# KiCad board Oblique Palette 0.3 PCB.kicad_pcb (continued)
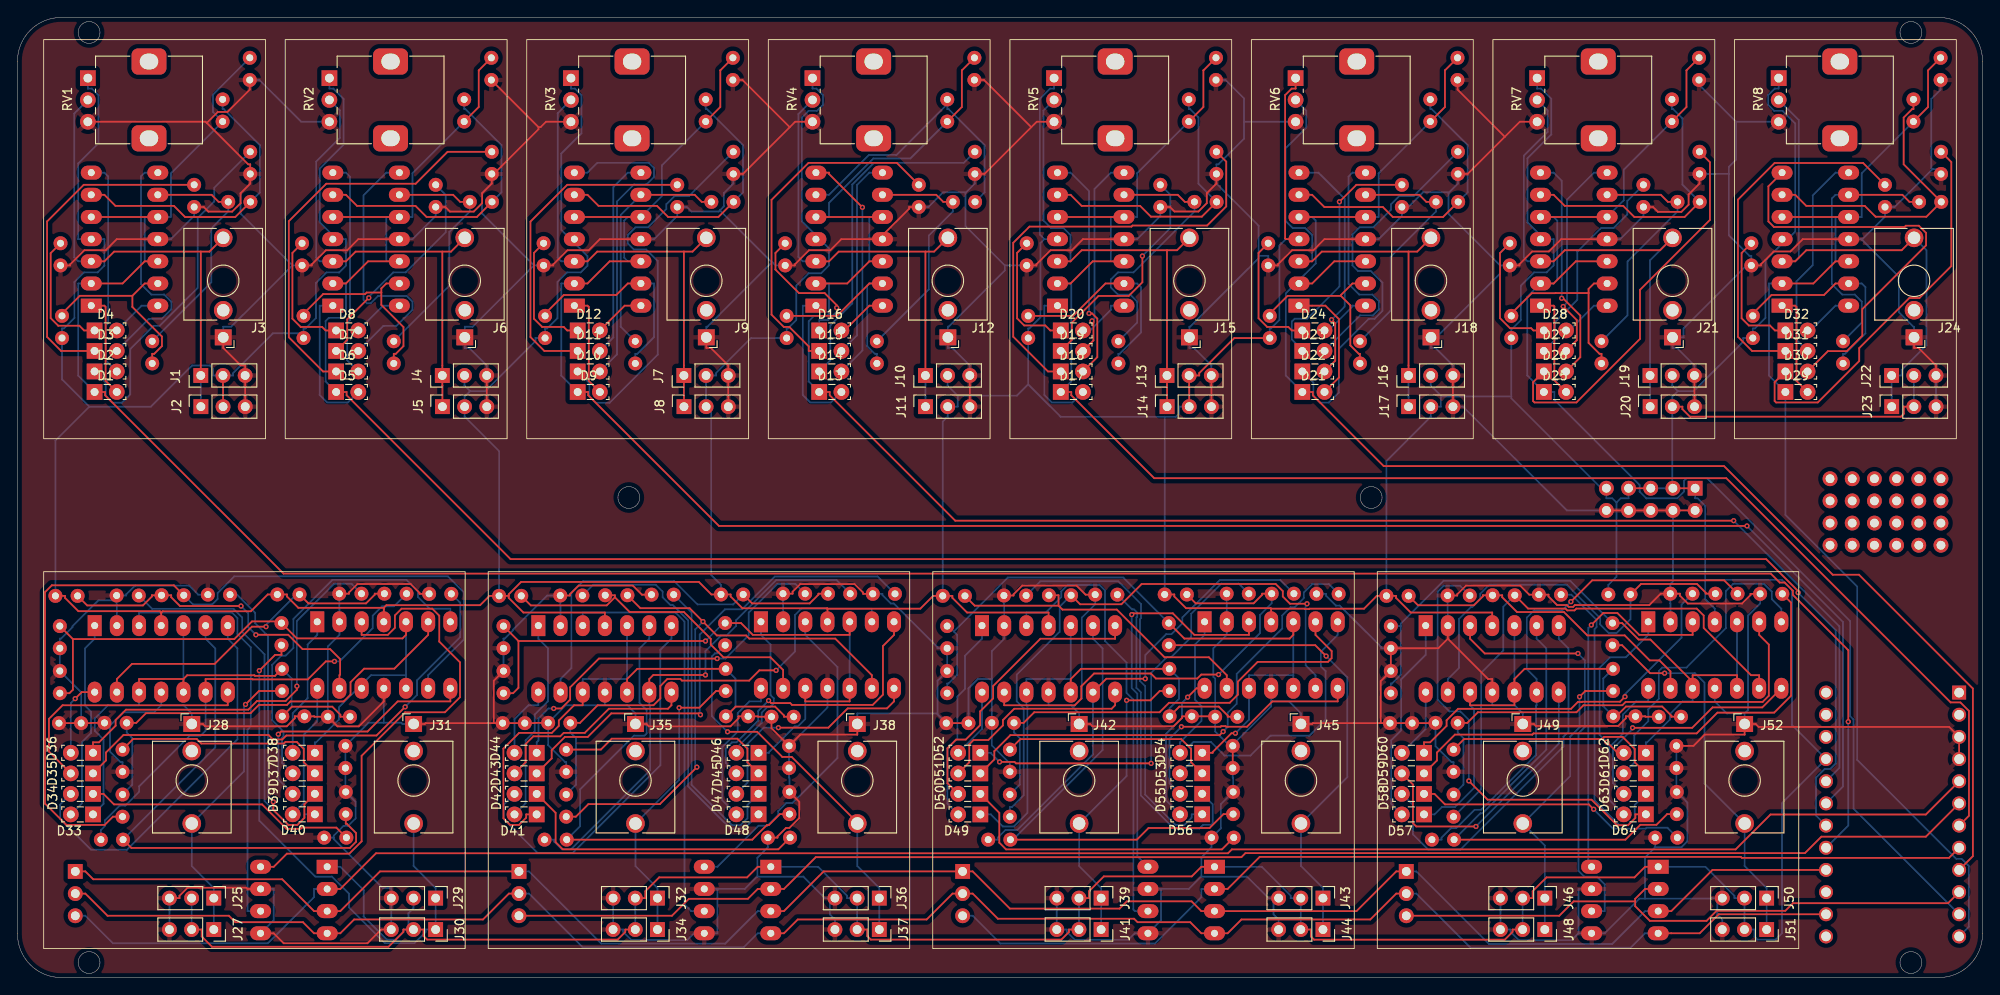
[diagram p0: board, top side]
## Routing (per net, layer and track width the routed paths; a pad name or vN(x,y) marks a point on that pad's centre or on a via; arc(x,y) is an arc through that point) (continued)
/Input 1/ANALOG_IN: length 300.7
  Top w0.2: v1(209.63,29.31) 209.63,37.51 203.28,43.85 203.28,44.32 202.34,45.26 201.77,45.26 200.75,46.28 30.46,46.28 10.03,66.71 10.03,67.09 D1.1 ; U1.2 12.03,79.52 14.57,82.06 U1.12 ; U1.10 U1.5
  Bottom w0.2: R1.1 22.38,101.16 22.38,99.18 R2.1 17.57,92.15 17.57,87.14 U1.10 14.57,87.14 14.57,82.06 U1.12 ; U12.17 209.63,17.42 v1(209.63,29.31) ; D1.1 6.95,68.97 6.95,79.52 U1.2
/Input 2/ANALOG_IN: length 271.6
  Top w0.2: U2.12 40.15,82.06 37.61,79.52 U2.2 ; U2.10 U2.5 ; D5.1 37.69,67.09 37.69,66.71 56.47,47.94 200.23,47.94 203.89,44.28 v1(203.89,44.1) ; R10.1 52.82,99.74 52.82,103.94 R9.1
  Bottom w0.2: U2.12 42.23,82.06 42.23,87.14 U2.10 45.23,87.14 45.23,92.15 R10.1 ; U12.18 205.94,18.55 205.94,22.92 206.92,23.9 207.56,23.9 208.19,24.53 208.19,39.79 v1(203.89,44.1) ; U2.2 37.61,79.52 37.61,76 37.18,75.58 35.65,75.58 35.29,75.21 35.29,68.29 D5.1
/Input 3/ANALOG_IN: length 239.6
  Top w0.2: U3.10 U3.5 ; U3.12 67.81,82.06 65.27,79.52 U3.2 ; v1(198.03,51.74) 80.32,51.74 65.35,66.71 65.35,67.09 D9.1 ; R18.1 80.47,99.74 80.47,103.94 R17.1
  Bottom w0.2: D9.1 62.26,68.97 62.26,79.52 U3.2 ; v1(198.03,51.74) 209.02,40.75 209.02,21.89 U12.19 ; U3.12 69.88,82.06 69.47,82.47 69.47,86.73 69.88,87.14 U3.10 73.79,89.55 73.79,93.06 R18.1
/Input 4/ANALOG_IN: length 216.3
  Top w0.2: D13.1 93,67.09 93,66.71 107.37,52.35 v1(196.51,52.35) ; 99.04,82.06 97.54,82.06 95,79.52 U4.2 ; 99.04,87.14 U4.5 ; R25.1 108.13,103.94 108.13,99.74 R26.1
  Bottom w0.2: v1(196.51,52.35) 208.61,40.24 208.61,24.02 U12.20 ; 99.04,82.06 97.54,82.06 97.54,87.14 99.04,87.14 ; D13.1 90.6,68.29 90.6,75.19 91.22,75.81 92.68,75.81 92.92,76.06 92.92,79.52 U4.2 ; R26.1 102.24,93.85 98,93.85 92.92,88.76 92.92,87.14 U4.5
/Input 5/ANALOG_IN: length 195.3
  Top w0.2: R33.1 135.79,103.94 135.79,99.74 R34.1 ; U5.2 120.58,79.52 123.12,82.06 U5.12 ; U12.7 223.44,18.53 223.44,30.55 222.47,31.52 221.35,31.52 195.66,57.21 130.16,57.21 120.66,66.71 120.66,67.09 D17.1 ; U5.10 U5.5
  Bottom w0.2: R34.1 128.2,92.15 128.2,87.14 U5.10 125.2,87.14 125.2,82.06 U5.12 ; D17.1 120.66,68.29 120.66,79.44 120.58,79.52 U5.2
/Input 6/ANALOG_IN: length 176.6
  Top w0.2: U6.10 U6.5 ; R42.1 163.45,99.74 163.45,103.94 R41.1 ; U6.2 148.24,79.52 150.78,82.06 U6.12 ; D21.1 148.32,67.09 148.32,66.71 156.43,58.6 195.4,58.6 207.84,46.15 210.85,46.15 223.89,33.11 223.89,13.9 U12.9
  Bottom w0.2: 146.36,79.52 148.65,81.81 148.65,86.73 148.24,87.14 U6.5 ; 146.36,79.52 145.22,78.39 145.22,68.98 D21.1 ; 146.36,79.52 U6.2 ; R42.1 155.86,92.15 155.86,87.14 U6.10
/Input 7/ANALOG_IN: length 152
  Top w0.2: R50.1 191.1,99.74 191.1,103.94 R49.1 ; U7.2 175.89,79.52 178.43,82.06 U7.12 ; U7.10 U7.5
  Bottom w0.2: U7.10 183.93,89.06 183.93,92.57 R50.1 ; U7.5 175.89,87.14 176.31,86.73 176.31,79.93 175.89,79.52 U7.2 172.87,78 172.87,68.99 D25.1 175.97,67.09 175.97,66.19 185.74,56.42 185.74,55.67 186.51,54.9 190.04,54.9 190.82,55.68 190.82,56.92 191.12,57.21 193.46,57.21 209.84,40.83 209.84,29.95 210.23,29.56 210.23,19.34 U12.11
/Input 8/ANALOG_IN: length 134.5
  Top w0.2: R57.1 218.76,103.94 218.76,99.74 R58.1 ; U8.10 U8.5 ; U8.2 205.63,79.52 208.17,82.06 U8.12
  Bottom w0.2: U8.12 208.17,82.06 208.17,87.14 U8.10 211.17,87.14 211.17,92.15 R58.1 ; U12.12 223.43,5.82 223.43,12.78 222.62,13.6 221.99,13.6 210.65,24.94 210.65,44.79 202.43,53.01 D29.1 200.55,68.97 200.55,79.52 U8.2
/Output12/CHIP_SELECT_: length 225.2
  Top w0.2: U10.2 36.96,10.15 41.05,14.24 138.61,14.24 139.05,14.68 196.73,14.68 200.72,18.68 218.51,18.68 U12.5
  Bottom w0.2: J26.3 7.77,7.08 10.93,3.93 28.67,3.93 33.96,9.21 33.96,10.15 U10.2
/Output12/SERIAL_CLOCK_: length 222.5
  Top w0.2: U20.3 189.36,7.61 194.08,12.33 U12.16 ; J33.1 41.51,12.16 36.96,7.61 U10.3 33.96,7.61 30.31,11.26 8.67,11.26 7.77,12.16 J26.1 ; U14.3 87.76,7.61 92.31,12.16 J40.1 109.37,12.16 113.63,7.9 126.19,7.9 127.02,8.73 134.44,8.73 135.56,7.61 U17.3 153.32,7.61 157.87,12.16 J47.1
  Bottom w0.2: J47.1 160.17,12.16 168.49,3.84 182.59,3.84 186.36,7.61 U20.3 ; J33.1 58.57,12.16 66.84,3.89 81.04,3.89 84.76,7.61 U14.3
/Output12/SERIAL_DATA_: length 217.2
  Top w0.2: U12.14 207.08,7.25 194.79,7.25 192.61,5.07 U20.4 ; J47.2 157.87,9.62 154.9,6.65 140.14,6.65 138.56,5.07 U17.4 135.56,5.07 134.29,6.34 128.25,6.34 127.85,6.74 112.25,6.74 109.37,9.62 J40.2 107.07,9.62 104.1,6.65 89.34,6.65 87.76,5.07 U14.4 ; J26.2 7.77,9.62 10.31,7.08 24.21,7.08 24.95,6.34 32.69,6.34 33.96,5.07 U10.4 36.96,5.07 38.54,6.65 53.3,6.65 56.27,9.62 J33.2
  Bottom w0.2: J33.2 58.57,9.62 64.71,3.48 83.17,3.48 84.76,5.07 U14.4 ; J47.2 160.17,9.62 166.37,3.42 184.71,3.42 186.36,5.07 U20.4
/Output34/CHIP_SELECT_: length 170.2
  Top w0.2: J33.3 74.94,7.08 76.88,9.02 83.63,9.02 84.76,10.15 U14.2 87.76,10.15 91.4,13.79 140.14,13.79 140.6,14.26 204.67,14.26 206.55,16.14 218.51,16.14 U12.6
/Output56/CHIP_SELECT_: length 120.6
  Top w0.2: U12.8 221.16,13.71 197.43,13.71 197.32,13.83 142.24,13.83 138.56,10.15 U17.2
  Bottom w0.2: U17.2 135.56,10.15 135.56,9.21 130.24,3.89 112.56,3.89 109.37,7.08 J40.3
/Output78/CHIP_SELECT_: length 70
  Top w0.2: U20.2 186.36,10.15 185.23,9.02 185.23,8.73 ; 185.23,8.73 178.18,8.73 176.54,7.08 J47.3 ; 185.23,8.73 185.23,8.17 186.91,6.5 193.4,6.5 194.56,7.65 202.42,7.65 203.29,8.52 221.05,8.52 U12.10
Net-(D1-A): length 12
  Top w0.2: D1.2 10.09,68.37 10.09,76.84 9.95,76.98 U1.1
Net-(D2-A): length 25.1
  Bottom w0.2: D2.2 10.13,70.68 10.13,74.71 10.38,74.97 10.38,91.79 9.95,92.22 U1.7
Net-(D2-K): length 40.8
  Bottom w0.2: D2.1 10.1,68.17 10.1,66.63 10.87,65.86 11.96,65.86 12.92,66.82 12.92,72 15.58,74.67 16.29,74.67 20.64,79.02 20.64,87.02 22.53,88.92 22.53,90.49 R3.1
Net-(D3-A): length 27.9
  Bottom w0.2: D3.2 15.04,75.46 16.51,75.46 17.62,76.57 17.62,77.44 16.81,78.25 15.34,78.25 14.14,79.45 14.14,91.79 14.57,92.22 U1.8
Net-(D3-K): length 37.9
  Top w0.2: R5.1 7.59,90.83 3.39,86.63 3.39,73.4 5,71.79 D3.1
Net-(D4-A): length 5.9
  Bottom w0.2: D4.2 14.21,76.98 U1.14
Net-(D4-K): length 14.7
  Top w0.2: R7.1 3.8,83 3.8,75.55 4.67,74.68 7.09,74.68 7.63,74.14 D4.1
Net-(D5-A): length 17
  Bottom w0.2: D5.2 37.83,65.89 35.46,65.89 34.61,66.74 34.61,76.98 U2.1
Net-(D6-A): length 25.1
  Bottom w0.2: U2.7 37.61,92.22 38.08,91.75 38.08,75.34 37.75,75.01 37.75,70.72 D6.2
Net-(D6-K): length 46.9
  Top w0.2: D6.1 34.99,69.44 31.07,73.36 31.07,86.66 35.36,90.95 45.59,90.95 49.25,94.61 R11.1
Net-(D7-A): length 32.6
  Bottom w0.2: U2.8 42.23,92.22 39.63,89.62 39.63,77.63 40.01,77.25 40.45,77.25 41.3,78.1 44.57,78.1 45.23,77.44 45.23,76.51 43.38,74.66 41.89,74.66 D7.2
Net-(D7-K): length 25.5
  Top w0.2: v1(40.23,77.88) 37.76,75.41 37.76,73.06 D7.1
  Bottom w0.2: v1(40.23,77.88) 40.23,77.99 43.02,80.79 44.44,80.79 49.04,85.39 49.04,89.67 R13.1
Net-(D8-A): length 5.9
  Bottom w0.2: U2.14 41.87,76.98 D8.2
Net-(D8-K): length 14.7
  Top w0.2: D8.1 35.29,74.14 34.89,74.54 32.43,74.54 31.48,75.49 31.48,83.02 R15.1
Net-(D9-A): length 12
  Top w0.2: U3.1 65.27,76.98 65.41,76.83 65.41,68.36 D9.2
Net-(D10-A): length 36.5
  Bottom w0.2: U3.7 65.27,92.22 66.38,93.34 72.3,93.34 72.89,92.75 72.89,91.73 72.02,90.86 70.59,90.86 68.64,88.92 68.64,71.4 D10.2
Net-(D10-K): length 46.1
  Bottom w0.2: R19.1 76.91,89.56 75.25,89.56 74.3,88.6 74.3,88.05 72.2,85.95 70.76,85.95 69.88,85.07 69.88,84.1 70.56,83.42 71.98,83.42 73.31,82.09 73.31,71.37 67.8,65.85 66.22,65.85 65.48,66.59 65.48,68.1 D10.1
Net-(D11-A): length 23.3
  Bottom w0.2: U3.8 69.88,92.22 68.22,90.56 68.22,73.33 D11.2
Net-(D11-K): length 37.9
  Top w0.2: R21.1 62.95,90.83 58.74,86.61 58.74,73.38 60.33,71.79 D11.1
Net-(D12-A): length 5.9
  Top w0.2: D12.2 69.52,76.98 U3.14
Net-(D12-K): length 14.7
  Top w0.2: R23.1 59.14,83.02 59.14,75.49 60.09,74.54 62.54,74.54 62.94,74.14 D12.1
Net-(D13-A): length 17
  Bottom w0.2: 94.34,67.09 93.14,65.89 90.78,65.89 89.92,66.74 89.92,76.98 U4.1
Net-(D14-A): length 26.9
  Top w0.2: U4.7 92.92,92.22 92.92,92.07 v1(96.75,88.25)
  Bottom w0.2: v1(96.75,88.25) 96.75,71.84 94.34,69.44
Net-(D14-K): length 38.6
  Bottom w0.2: R27.1 108.35,93.34 98.07,93.34 95.58,90.85 95.58,77.23 93.07,74.72 93.07,70.71 D14.1
Net-(D15-A): length 23.3
  Bottom w0.2: 99.04,92.22 97.54,92.22 96.13,90.81 96.13,73.58 94.34,71.79
Net-(D15-K): length 40.3
  Top w0.2: R29.1 100.69,93.34 90.58,93.34 86.34,89.1 86.34,75.95 87.75,74.54 88.38,74.54 90.6,72.32 90.6,71.79 D15.1
Net-(D16-A): length 5.9
  Top w0.2: 94.34,74.14 94.7,74.14 97.54,76.98 99.04,76.98
Net-(D16-K): length 16.5
  Top w0.2: R31.1 86.79,83.02 86.79,81.11 89.48,78.42 92.42,78.42 93.8,77.04 v1(93.8,76.74)
  Bottom w0.2: v1(93.8,76.74) 93.8,76.29 92.85,75.34 91.8,75.34 D16.1
Net-(D17-A): length 17
  Bottom w0.2: U5.1 117.58,76.98 117.58,66.75 118.43,65.89 120.8,65.89 D17.2
Net-(D18-A): length 26.4
  Top w0.2: D18.2 123.64,71.08 123.64,75.5 123.05,76.09 v1(122.7,76.09)
  Bottom w0.2: U5.7 120.58,92.22 122.7,90.1 v1(122.7,76.09)
Net-(D18-K): length 50.7
  Top w0.2: R35.1 138.4,93.48 138.4,88.35 136.21,86.16 127.67,86.16 127.55,86.04 115.88,86.04 114.01,84.17 114.01,73.42 117.99,69.44 D18.1
Net-(D19-A): length 23.4
  Top w0.2: v1(123.04,75.23) 123.2,75.07 123.2,72.99 D19.2
  Bottom w0.2: v1(123.04,75.23) 123.32,75.52 123.32,90.34 125.2,92.22 U5.8
Net-(D19-K): length 26.7
  Top w0.2: D19.1 120.73,73.06 120.73,75.04 123.79,78.09 127.24,78.09 128.8,79.66 v1(128.8,82.67)
  Bottom w0.2: v1(128.8,82.67) 132,85.87 132,89.68 R37.1
Net-(D20-A): length 6.2
  Bottom w0.2: D20.2 122.83,74.14 125.2,76.51 125.2,76.98 U5.14
Net-(D20-K): length 14.6
  Top w0.2: R39.1 114.46,83.03 114.46,75.52 115.27,74.71 117.69,74.71 118.26,74.14 D20.1
Net-(D21-A): length 14.2
  Top w0.2: D21.2 151.31,68.74 151.31,75.43 149.76,76.98 U6.1
Net-(D22-A): length 27.6
  Top w0.2: v1(150.46,75.37) 150.88,74.95 150.88,70.67 D22.2
  Bottom w0.2: v1(150.46,75.37) 151.97,76.87 151.97,89.21 148.96,92.22 U6.7
Net-(D22-K): length 46.3
  Bottom w0.2: D22.1 148.38,68.17 148.38,66.62 149.13,65.87 150.14,65.87 151.3,67.02 151.3,72.04 154.72,75.46 155.38,75.46 156.29,76.37 156.29,79.62 154.95,80.96 153.48,80.96 152.85,81.59 152.85,85.13 153.68,85.96 155.25,85.96 157.27,87.98 157.27,88.6 158.22,89.56 159.88,89.56 R43.1
Net-(D23-A): length 27.9
  Bottom w0.2: D23.2 153.73,75.87 155.21,75.87 155.88,76.54 155.88,77.5 155.14,78.25 153.63,78.25 152.41,79.47 152.41,91.78 152.85,92.22 U6.8
Net-(D23-K): length 28.6
  Top w0.2: v1(151.36,88.88) 153.31,90.83 R45.1
  Bottom w0.2: v1(151.36,88.88) 151.36,79.18 147.67,75.48 146.23,75.48 145.91,75.16 145.91,73.12 147.11,71.91 147.12,71.91 D23.1
Net-(D24-A): length 5.9
  Bottom w0.2: U6.14 152.85,76.98 152.85,76.89 150.11,74.14 D24.2
Net-(D24-K): length 14.6
  Top w0.2: R47.1 142.1,83.02 142.1,75.53 143.1,74.54 145.51,74.54 145.91,74.14 D24.1
Net-(D25-A): length 12
  Top w0.2: U7.1 175.89,76.98 175.97,76.9 175.97,68.43 D25.2
Net-(D26-A): length 26.3
  Top w0.2: D26.2 178.95,71.07 178.95,75.85 176.97,77.82 v1(176.81,77.82)
  Bottom w0.2: v1(176.81,77.82) 176.81,91.3 175.89,92.22 U7.7
Net-(D26-K): length 44.5
  Top w0.2: R51.1 193.79,93.42 193.79,86.8 185.78,78.79 185.78,73.17 178.5,65.89 173.71,65.89 173.54,66.06 173.54,68.21 D26.1
Net-(D27-A): length 24.5
  Top w0.2: v1(176.99,76.88) 178.54,75.33 178.54,73.02 D27.2
  Bottom w0.2: v1(176.99,76.88) 177.41,77.31 177.41,89.12 180.51,92.22 U7.8
Net-(D27-K): length 24.6
  Bottom w0.2: D27.1 176.04,73.06 176.04,75.09 178.6,77.64 178.6,83.15 181.32,85.87 182.76,85.87 184.33,87.44 184.33,88.98 R53.1
Net-(D28-A): length 5.9
  Bottom w0.2: U7.14 180.51,76.98 177.67,74.14 D28.2
Net-(D28-K): length 14.7
  Top w0.2: D28.1 173.57,74.14 173.31,74.4 170.9,74.4 169.75,75.54 169.75,83.01 R55.1
Net-(D29-A): length 12
  Top w0.2: D29.2 203.7,68.36 203.7,76.83 203.55,76.98 U8.1
Net-(D30-A): length 47.7
  Top w0.2: D30.2 207.3,71.77 209.48,71.77 211.23,73.53 211.23,76.59 218.53,83.89 218.53,85.32 217.72,86.14 216.21,86.14 216.07,85.99 201.12,85.99 200.48,86.63 200.48,90.65 U8.7
Net-(D30-K): length 45.1
  Top w0.2: D30.1 201.2,68.21 201.2,66.06 201.36,65.89 206.14,65.89 210.88,70.63 210.88,72.12 216.62,77.86 217.77,77.86 221.42,81.51 221.42,93.44 R59.1
Net-(D31-A): length 24.3
  Bottom w0.2: U8.8 208.17,92.22 205.56,89.62 205.56,81.63 203.7,79.76 203.7,73.06 D31.2
Net-(D31-K): length 41.4
  Top w0.2: R61.1 211.33,93.33 201.19,93.33 197,89.13 197,73.41 198.61,71.79 D31.1
Net-(D32-A): length 5.9
  Bottom w0.2: D32.2 205.33,74.14 208.17,76.98 U8.14
Net-(D32-K): length 14.6
  Top w0.2: R63.1 197.41,83.01 197.41,75.54 198.24,74.71 200.66,74.71 201.23,74.14 D32.1
Net-(D33-A): length 23.3
  Bottom w0.2: D33.2 7.38,19.96 7.38,26.97 8.43,28.01 8.43,30.46 7.74,31.15 7.74,37.72 8.84,38.82 U9.1
Net-(D33-K): length 61.8
  Top w0.2: U9.10 19,34.2 ; 19,34.2 19.43,34.63 27.13,34.63 27.2,34.56 29.48,34.56 R65.1 ; 19,34.2 13.92,34.2 U9.12 ; R66.1 31.42,31.03 36.05,31.03 36.97,30.11 36.97,29.88 38.08,29.88
  Bottom w0.2: R66.1 31.39,31 31.39,34.27 R65.1 ; D33.1 9.85,19.89 9.85,27.28 8.86,28.27 8.86,29.7 10.36,31.2 13.92,31.2 U9.12 ; U9.10 U9.5
Net-(D34-A): length 43.9
  Bottom w0.2: D34.2 4.89,19.82 4.89,18.19 8.43,14.65 12.54,14.65 25.18,27.29 25.18,37.71 24.08,38.82 U9.7
Net-(D34-K): length 31.2
  Top w0.2: D34.1 9.85,21.04 11.05,19.84 28,19.84 30.8,17.04 32.41,17.04 32.55,17.18 36.51,17.18 R70.1
Net-(D35-A): length 29.9
  Top w0.2: U9.8 24.08,31.2 5.16,31.2 3.6,29.64 3.6,25.9 D35.2
Net-(D35-K): length 55.8
  Top w0.2: D35.1 10.13,24.87 10.13,25.78 12.14,27.79 28.75,27.79 29.26,27.27 30.33,27.27 30.79,27.73 41.11,27.73 v1(44.39,31.02)
  Bottom w0.2: R72.1 50.69,42.94 50.69,39.01 45.76,34.07 45.76,32.38 v1(44.39,31.02)
Net-(D36-A): length 8.9
  Top w0.2: v1(6.61,31.95) 7.36,32.7 U9.14
  Bottom w0.2: v1(6.61,31.95) 6.11,31.45 D36.2
Net-(D36-K): length 44.9
  Top w0.2: D36.1 8.65,26.95 9.34,26.95 11.23,28.85 11.23,29.5 12.42,30.69 26.43,30.69 27.42,31.68 30.7,31.68 31.99,32.98 v1(31.99,33.38)
  Bottom w0.2: R74.1 38.25,45.12 36.26,45.12 31.99,40.86 v1(31.99,33.38)
Net-(D37-A): length 16.2
  Bottom w0.2: U11.1 34.33,39.26 33.22,38.16 33.22,32 31.51,30.29 D37.2
Net-(D37-K): length 74.7
  Top w0.2: R78.2 5.95,32.58 6.34,32.97 6.34,38.78 ; U11.5 44.48,39.26 44.08,38.86 31.99,38.86 R76.1 30.04,40.8 26.85,40.8 24.82,38.78 6.34,38.78 ; 6.34,38.78 R77.1
  Bottom w0.2: U11.10 44.48,34.64 ; 44.48,34.64 U11.5 ; 44.48,34.64 40.47,34.64 39.41,33.57 ; 39.41,33.57 36.8,30.97 36.8,29.56 34.2,26.95 34.05,26.95 D37.1 ; 39.41,33.57 U11.12
Net-(D38-A): length 43.2
  Bottom w0.2: D38.2 30.3,24.61 30.3,27.45 30.47,27.62 30.47,28.19 29.16,29.5 29.16,35.84 30.21,36.88 30.71,36.88 31.59,37.76 31.59,41.09 36.07,45.56 44.54,45.56 45.85,44.25 45.85,43.61 47.2,42.26 49.56,42.26 U11.7
Net-(D38-K): length 25.2
  Top w0.2: D38.1 32.78,24.67 32.78,26.19 31.98,26.99 30.69,26.99 30.51,26.81 21.04,26.81 20.52,27.34 13.25,27.34 R81.1
Net-(D39-A): length 30.3
  Top w0.2: v1(29.86,27.88) 30.18,28.19 40.09,28.19 43.54,31.64 49.56,31.64 U11.8
  Bottom w0.2: D39.2 29.86,22.7 v1(29.86,27.88)
Net-(D39-K): length 35
  Top w0.2: D39.1 32.85,19.85 32.85,18.29 32.04,17.48 31.02,17.48 29.3,19.2 v1(29.3,20.13)
  Bottom w0.2: R83.1 25.14,43.87 27.22,41.79 27.22,40.59 28.69,39.12 28.69,20.73 v1(29.3,20.13)
Net-(D40-A): length 15.6
  Bottom w0.2: D40.2 32.78,19.97 32.78,27.82 34.33,29.37 U11.14
Net-(D40-K): length 42.6
  Bottom w0.2: D40.1 32.85,18.7 32.85,18.32 32.02,17.5 31.01,17.5 28.29,20.22 28.29,37.03 25.73,39.59 25.73,41.25 24.73,42.25 15.41,42.25 R85.1
Net-(D41-A): length 23.7
  Bottom w0.2: D41.2 58.18,19.96 58.18,27.18 59.22,28.22 59.22,30.14 60.74,31.66 60.74,37.72 59.64,38.82 U13.1
Net-(D41-K): length 68.4
  Top w0.2: U13.10 69.8,34.2 70.97,35.37 R87.1 ; D41.1 58.25,18.69 58.25,18.31 57.42,17.49 56.41,17.49 55.64,18.26 55.64,26.23 57.44,28.03 61.18,28.03 61.98,28.83 61.98,29.45 63.73,31.2 64.72,31.2 U13.12 ; R89.2 87.77,29.88 87.77,30.02 86.75,31.04 82.23,31.04 R88.1
  Bottom w0.2: R88.1 82.21,31.02 82.21,34.25 R87.1 ; 69.8,34.2 69.8,38.82 69.8,38.82 U13.5 ; 69.8,34.2 69.8,34.2 U13.10 ; 69.8,34.2 64.72,34.2 U13.12
Net-(D42-A): length 43.6
  Bottom w0.2: U13.7 74.88,38.82 73.61,37.55 73.61,24.32 63.56,14.27 59.55,14.27 55.69,18.13 55.69,19.82 D42.2
Net-(D42-K): length 34.2
  Top w0.2: D42.1 61.62,18.87 61.62,15.51 62.44,14.69 87.12,14.69 R92.1
Net-(D43-A): length 23.9
  Top w0.2: D43.2 58.18,24.66 58.18,26.76 59.06,27.63 62.15,27.63 62.55,28.03 64.95,28.03 67.72,30.8 74.48,30.8 74.88,31.2 U13.8
Net-(D43-K): length 57.4
  Top w0.2: D43.1 61.17,25.11 61.17,26.05 62.68,27.57 65.3,27.57 67.99,30.27 78.04,30.27 v1(78.2,30.11)
  Bottom w0.2: R94.1 98.49,45.95 86.71,45.95 82.95,42.19 81.01,42.19 78.12,39.3 78.12,30.19 v1(78.2,30.11)
Net-(D44-A): length 8.7
  Bottom w0.2: U13.14 59.64,31.2 58.51,31.2 56.91,29.59 D44.2
Net-(D44-K): length 43.8
  Top w0.2: v1(80.12,36.55) 66.57,36.55 63.28,33.25 63.28,31.84 62.27,30.83 v1(61.4,30.83)
  Bottom w0.2: v1(61.4,30.83) 60.79,30.83 59.66,29.69 59.66,27.16 59.45,26.95 D44.1 ; v1(80.12,36.55) 81.06,36.55 83.73,39.21 83.73,41.82 87,45.09 89.08,45.09 R96.1
Net-(D45-A): length 17.6
  Bottom w0.2: U15.1 85.12,39.26 86.23,38.16 86.23,32.36 86.6,31.98 86.6,31.42 86.16,30.98 85.85,30.98 85.22,30.35 85.22,29.19 82.31,26.29 D45.2
Net-(D45-K): length 76.8
  Top w0.2: v1(78.78,38.56) 57.36,38.56 ; 57.36,38.56 R99.1 ; 57.36,38.56 57.36,33.19 56.75,32.58 R100.2 ; U15.12 90.2,31.64 95.28,31.64 U15.10 ; U15.5 95.28,39.26 84.2,39.26 82.84,40.61 R98.1
  Bottom w0.2: R98.1 80.84,40.61 v1(78.78,38.56) ; U15.5 U15.10 ; D45.1 86.05,25.75 86.05,25.83 89,28.78 89.36,28.78 90.2,29.62 U15.12
Net-(D46-A): length 33.8
  Top w0.2: v1(86,31.73) 86.29,31.44 88.48,31.44 88.69,31.24 97.92,31.24 99.09,32.41 99.09,37.99 100.36,39.26 U15.7
  Bottom w0.2: v1(86,31.73) 84.81,30.54 84.81,29.43 82.33,26.95 81.81,26.95 81.1,26.24 81.1,24.61 D46.2
Net-(D46-K): length 25.1
  Top w0.2: D46.1 83.58,24.67 83.58,26.22 82.44,27.37 68.04,27.37 66.8,26.12 R103.1
Net-(D47-A): length 26.5
  Top w0.2: v1(87.13,28.63) 92.85,28.63 95.06,30.83 99.56,30.83 100.36,31.64 U15.8
  Bottom w0.2: v1(87.13,28.63) 85.45,28.63 83.58,26.77 83.58,22.32 D47.2
Net-(D47-K): length 34.6
  Bottom w0.2: D47.1 83.58,19.78 83.58,18.24 82.8,17.46 81.81,17.46 77.19,22.08 77.19,41.82 R105.1
Net-(D48-A): length 17.7
  Bottom w0.2: U15.14 85.12,31.64 83.81,31.64 82.47,30.3 82.47,28.18 80.7,26.41 80.7,20.31 D48.2
Net-(D48-K): length 44.5
  Bottom w0.2: D48.1 83.2,17.05 81.65,17.05 76.79,21.91 76.79,40.94 75.04,42.68 74.76,42.68 73.87,43.57 73.87,44.22 73.08,45.01 65.93,45.01 R107.1
Net-(D49-A): length 23.8
  Bottom w0.2: U16.1 110.44,38.82 108.49,36.87 108.49,33.07 107.62,32.19 107.62,27.36 106.47,26.21 106.47,19.93 D49.2
Net-(D49-K): length 63.1
  Top w0.2: R109.1 121.77,35.37 120.6,34.2 U16.10 ; R110.1 133.03,31.04 137.55,31.04 138.57,30.02 138.57,29.88 139.68,29.88
  Bottom w0.2: R110.1 131.92,30.86 132.99,31.93 132.99,34.27 R109.1 ; 120.6,34.2 U16.5 ; 120.6,34.2 U16.10 ; 120.6,34.2 115.52,34.2 U16.12 115.52,31.2 115.64,31.08 115.64,18.85 114.09,17.31 112.83,17.31 111.45,18.69 D49.1
Net-(D50-A): length 33.4
  Top w0.2: D50.2 106.49,22.26 106.49,26.28 107.47,27.27 108.58,27.27 110.23,28.92 110.23,30.5 111.71,31.98 111.71,33.4 117.13,38.82 125.68,38.82 U16.7
Net-(D50-K): length 34.2
  Top w0.2: D50.1 112.42,18.87 112.42,15.46 113.19,14.68 137.91,14.68 R114.1
Net-(D51-A): length 24.3
  Top w0.2: U16.8 125.68,31.2 125.28,30.8 114.13,30.8 112.83,29.5 112.83,28.89 111.17,27.22 109.47,27.22 108.98,26.73 108.98,24.66 D51.2
Net-(D51-K): length 55.2
  Top w0.2: v1(138.05,28.18) 137.65,27.78 113.69,27.78 111.85,25.93 111.85,24.99 D51.1
  Bottom w0.2: R116.1 150.15,45.08 148.25,45.08 147.29,44.12 147.29,43.47 146.24,42.43 145.76,42.43 144.81,41.48 144.81,39.99 139.6,34.77 139.6,31.36 138.57,30.34 138.57,28.7 v1(138.05,28.18)
Net-(D52-A): length 8.1
  Bottom w0.2: U16.14 110.44,28.48 D52.2
Net-(D52-K): length 47.9
  Top w0.2: v1(112.45,24.71) 114.16,24.71 114.33,24.54 v1(129.8,24.54)
  Bottom w0.2: R118.1 139.84,45.13 137.85,45.13 134.39,41.68 134.39,39.01 132.1,36.72 131.61,36.72 129.8,34.92 v1(129.8,24.54) ; v1(112.45,24.71) 111.45,25.7 111.45,25.75 D52.1
Net-(D53-A): length 16.8
  Bottom w0.2: D53.2 133.11,26.95 135.57,29.41 135.57,31.09 134.82,31.83 134.82,38.16 135.93,39.26 U18.1
Net-(D53-K): length 79.6
  Top w0.2: U18.5 146.09,39.26 145.66,38.84 133.61,38.84 R120.1 ; v1(139.46,27.99) 139,27.99 136.85,25.84 136.85,25.75 D53.1